# Altium PCB 电解模块主控板_V1.1_ZM_20211015.PcbDoc (part 2 of 3)
Units mil, origin at the board's own origin, x right, y up, seen from the top; angles counter-clockwise.
Board outline 5915.54 x 3947.37 mil, 2 copper layers (Top Layer, Bottom Layer); 222 components, 167 nets, 677 pads, 2045 vias.
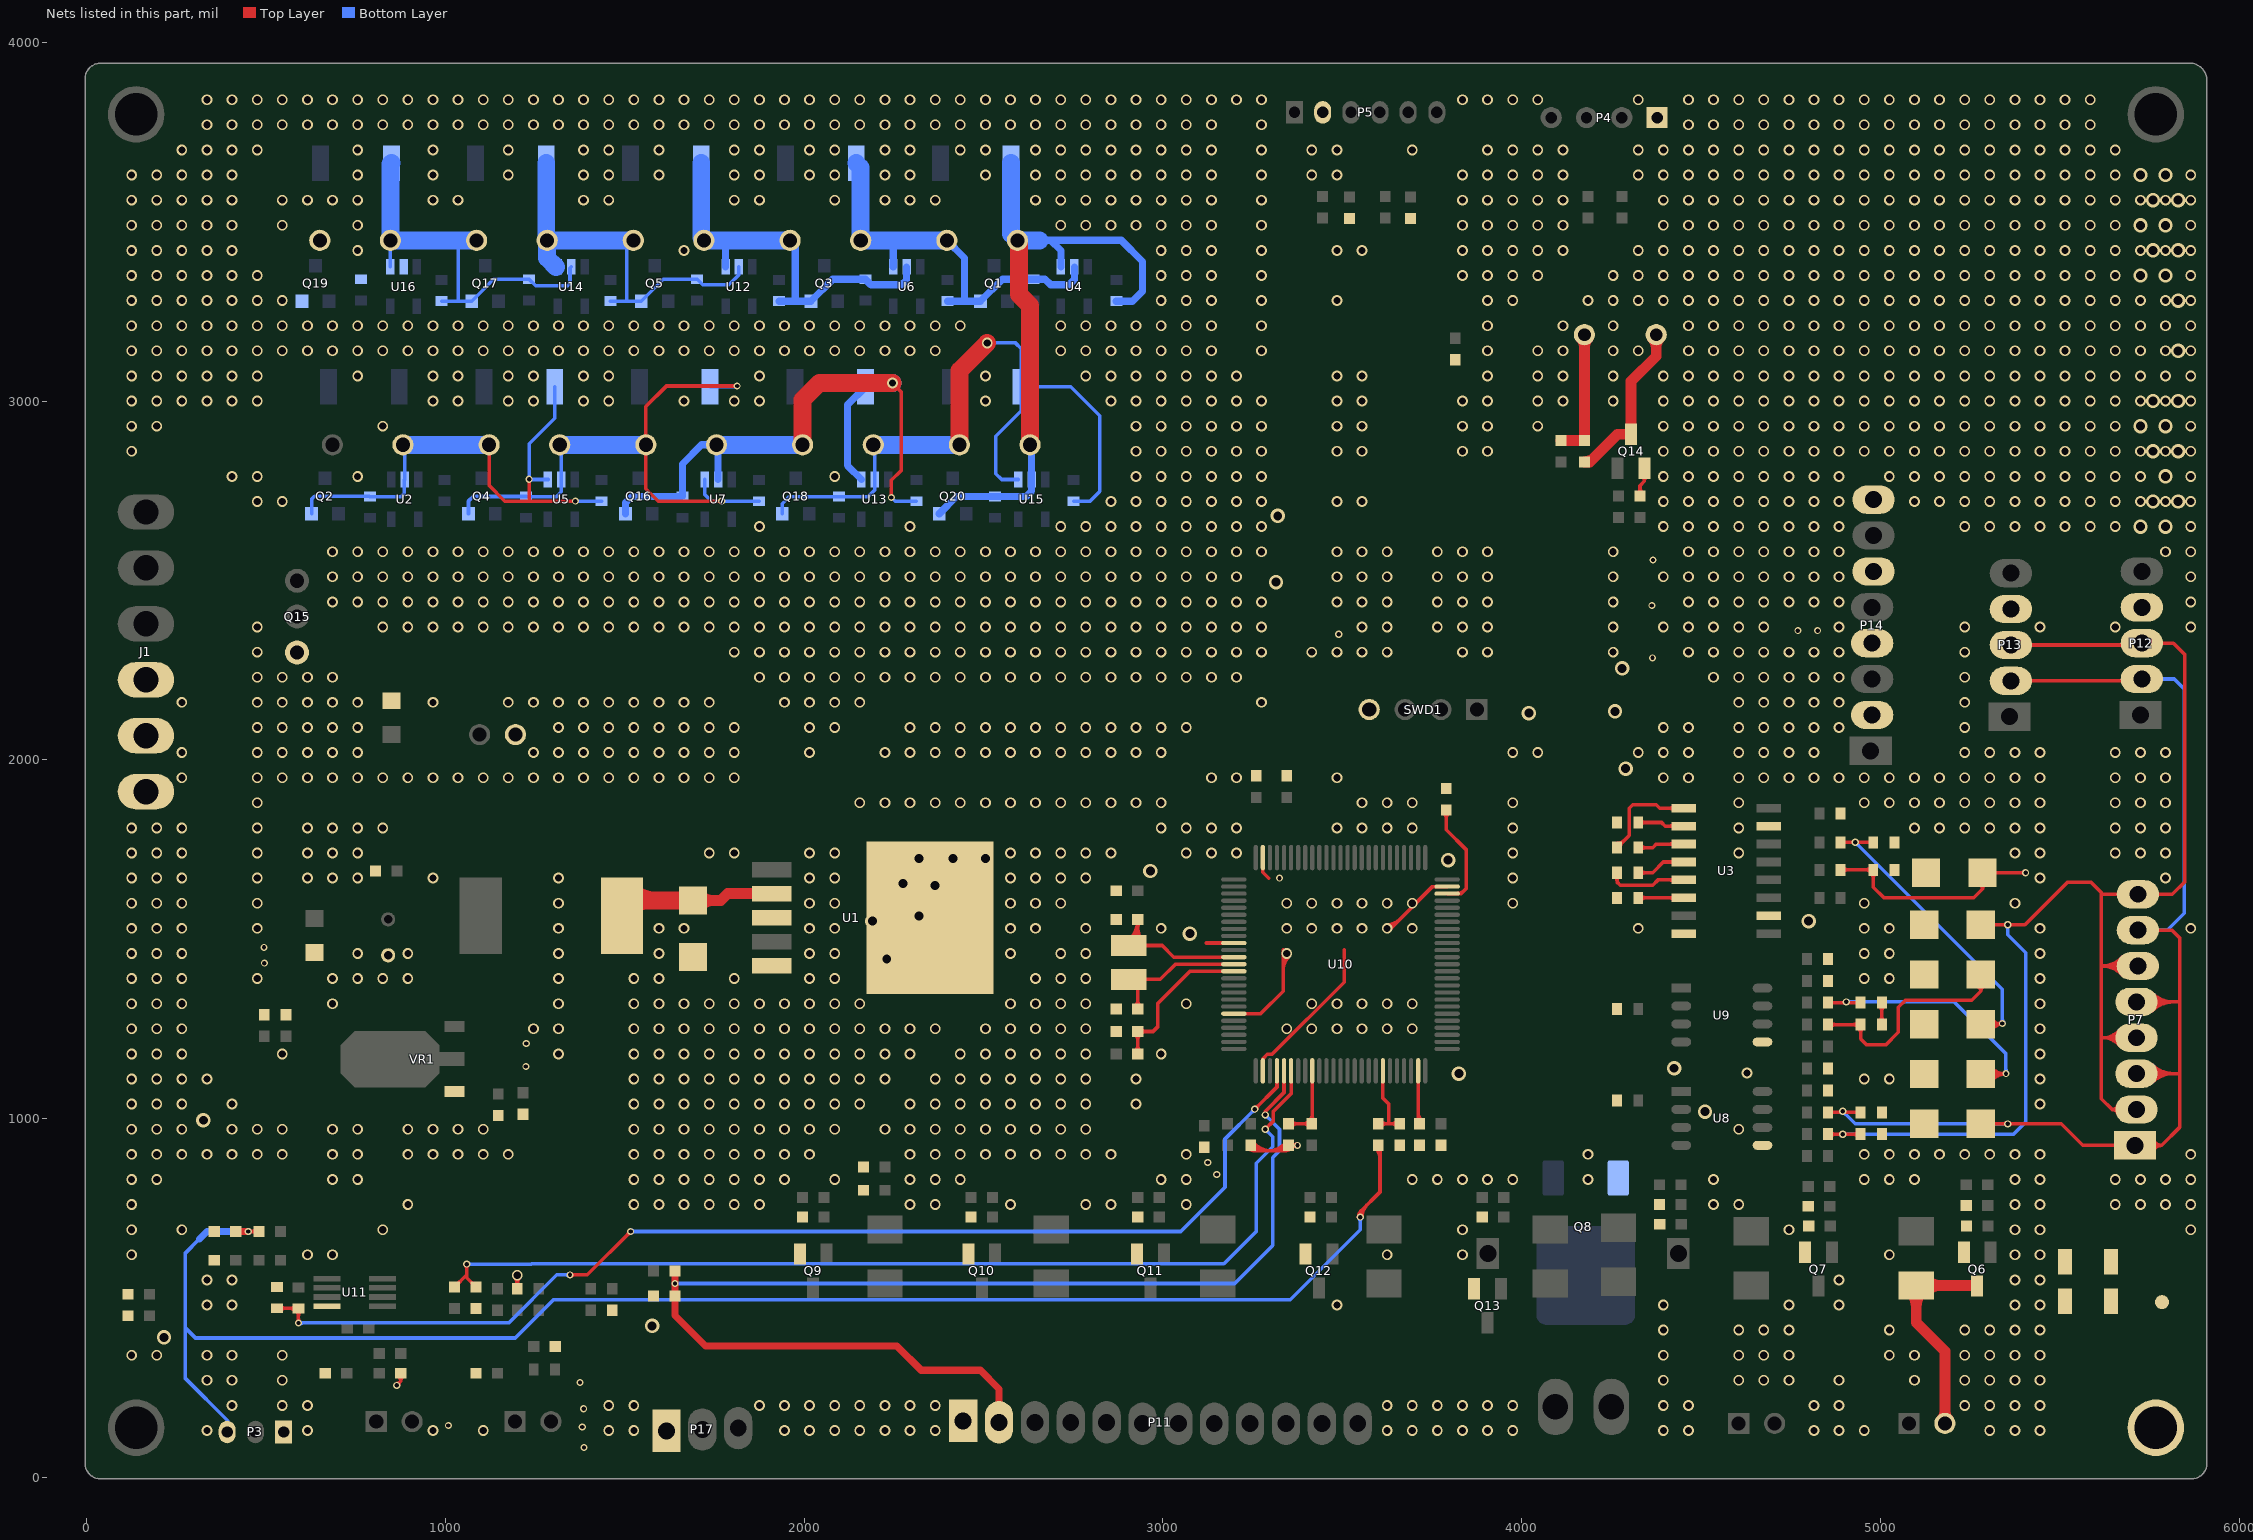
[diagram p2: the nets of this part, all layers, seen from the top]

## Via types
v1: diameter 30, hole 20, Top Layer to Bottom Layer, tented both sides, 1838 vias
v2: diameter 20, hole 12, Top Layer to Bottom Layer, tented both sides, 135 vias
v3: diameter 40, hole 25, Top Layer to Bottom Layer, tented both sides, 63 vias
v4: diameter 80, hole 60, Top Layer to Bottom Layer, tented both sides, 4 vias
v5: diameter 50, hole 30, Top Layer to Bottom Layer, tented both sides, 4 vias
v6: diameter 100, hole 80, Top Layer to Bottom Layer, tented both sides, 1 vias

## Nets (pads, with @x,y where several pads share a name; then routed paths per layer and width w, separated by ;. In a path a pad name is that pad's centre, name@x,y a point inside that pad or via, vN(x,y) a via of type N, cw(c..) or ccw(c..) an arc to the next point about the centre after c; other vN are vias at no path point) (continued)
GND: C1.2 C2.2 C3.1 C4.1 C5.1 C6.1 C8.1 C9.1 C10.1 C12.1 C13.1 C14.1 C15.1 C16.1 C17.1 C22.2 C24.2 C25.2 C27.2 C28.2 C29.2 C30.2 C31.2 C32.1 C33.2 C34.2 C35.2 C36.2 C37.1 C38.1 C39.1 C40.1 C43.2 C45.1 C46.1 C47.1 C50.2 C51.1 C52.1 C55.1 C56.1 C57.1 D3.1 D14.2 D15.2 D16.2 D17.2 D18.2 D19.2 J1.1 J1.2 J1.3 P3.1 P4.1 P5.2 P11.1 P12.4 P13.4 P14.2 P14.4 P14.6 P14.8 P17.1 Q6.2 Q7.2 Q8.2 Q9.2 Q10.2 Q11.2 Q12.2 Q13.2 Q14.2 Q15.1 Q19.2 R22.1 R34.2 R35.2 R36.2 R42.2 R43.2 R44.2 R45.2 R46.2 R59.2 R70.2 R71.2 R72.1 R76.2 R77.2 R79.1 R113.2 SWD1.4 TVS1.1 TVS2.1 TVS3.1 TVS4.1 TVS5.1 TVS6.1 TVS7.1 TVS8.1 TVS9.1 TVS10.1 TVS11.1 TVS12.1 U1.3 U1.5 U1.6 U3.8 U3.10 U3.15 U8.5 U9.5 U10.10 U10.20 U10.27 U10.74 U10.99 U11.4 U16.2 VR1.1 | length 2106
  Top Layer w10: v2(864,256) 875,267 ; v2@864,261 ccw(c864,273.07) 872.54,264.54 ccw(c881.07,256) v2@869,256 ; TVS6.1@868.18,282.69 cw(c853.55,267) 875,267 ; TVS6.1@875,290 875,267 ; TVS6.1@881.82,282.69 ccw(c896.45,267) 875,267 ; TVS11.1@1192.93,532.82 ccw(c1175.86,549.89) 1200,549.89 ccw(c1224.14,549.89) TVS11.1@1207.07,532.82 ; v1@1192.93,555.93 cw(c1175.86,538.86) 1200,538.86 cw(c1224.14,538.86) v1@1207.07,555.93 ; TVS11.1@1200,525 v1(1200,563) ; 3120.94,1489.06 U10.10@3197.76,1489.06 ; U10.20@3197.76,1292.2 3272.2,1292.2 3335,1355 v1@3335,1470 ; C51.1@3237.93,917.18 ccw(c3255.27,934.52) C51.1@3255.27,910 ; C51.1@3245,924.25 ccw(c3279.41,958.66) 3279.41,910 ; C51.1@3252.07,931.32 ccw(c3303.55,982.8) 3303.55,910 ; 3260,910 3335,910 C38.1@3350,925 v2(3375,925) ; U10.27@3278.46,1132.76 3278.46,1166.51 3291.15,1179.19 3304.19,1179.19 3505,1380 3505,1470 ; U10.99@3278.46,1727.24 3278.46,1686.54 3295,1670 ; U10.27@3279.37,1162.28 cw(c3291.75,1162.28) 3283,1171.04 ; 3291.45,910 ccw(c3291.45,982.8) C38.1@3342.93,931.32 ; 3315.59,910 ccw(c3315.59,958.66) C38.1@3350,924.25 ; 3335,1411.72 cw(c3393.28,1411.72) v1@3352.07,1452.93 ; 3335,1435.86 cw(c3369.14,1435.86) v1(3345,1460) ; C38.1@3339.73,910 ccw(c3339.73,934.52) C38.1@3357.07,917.18 ; C38.1@3357.07,917.93 cw(c3374.14,900.86) 3374.14,925 cw(c3374.14,949.14) C38.1@3357.07,932.07 ; v2@3371.46,921.46 ccw(c3362.93,912.93) 3362.93,925 ccw(c3362.93,937.07) v2@3371.46,928.54 ; v1(3625,1530) ccw(c3625,1554.14) 3642.07,1537.07 ; v1@3625,1540 ccw(c3625,1588.28) 3659.14,1554.14 ; v1@3630,1525 3751.54,1646.54 U10.74@3792.24,1646.54 ; R59.2@4322.93,2742.07 ccw(c4305.86,2759.14) 4330,2759.14 ccw(c4354.14,2759.14) R59.2@4337.07,2742.07 ; R59.2@4330,2735 4330,2764 4342,2776 ; Q14.2@4334.96,2790.89 cw(c4322.73,2776) 4342,2776 ; Q14.2@4342.4,2812.76 4342,2812.35 4342,2776 ; Q14.2@4349.35,2790.5 ccw(c4360,2776) 4342,2776 ; C35.2@4997.85,1270.83 ccw(c4982.86,1285.81) 5004.06,1285.81 ccw(c5025.25,1285.81) C35.2@5010.26,1270.83 ; C34.2@4997.85,1313.62 cw(c4982.86,1298.63) 5004.06,1298.63 cw(c5025.25,1298.63) C34.2@5010.26,1313.62 ; C35.2@5004.06,1261.67 C34.2@5004.06,1322.78
  other v1: 335,130 615,130 965,130 1105,130 1455,130 1525,130 1945,130 2015,130 2085,130 2155,130 2225,130 2295,130 2365,130 3625,130 3695,130 3765,130 3835,130 3905,130 3975,130 4395,130 4465,130 4815,130 4885,130 4955,130 5305,130 5375,130 5445,130 405,200 545,200 615,200 1455,200 1525,200 1875,200 1945,200 2015,200 2085,200 2155,200 2225,200 2295,200 2365,200 3625,200 3695,200 3765,200 3835,200 3905,200 3975,200 4395,200 4465,200 4815,200 4885,200 5235,200 5305,200 5375,200 5445,200 335,270 405,270 545,270 4395,270 4605,270 4675,270 4745,270 4885,270 5095,270 5235,270 5305,270 5375,270 5445,270 125,340 195,340 335,340 405,340 545,340 4395,340 4605,340 4675,340 4745,340 5025,340 5095,340 5235,340 5305,340 5375,340 5445,340 4395,410 4605,410 4675,410 4745,410 5025,410 5235,410 5305,410 5375,410 5445,410 335,480 405,480 3485,480 4395,480 4745,480 4885,480 5375,480 5445,480 335,550 405,550 4885,550 5375,550 5445,550 125,620 615,620 685,620 3625,620 3835,620 5025,620 5375,620 5445,620 125,690 265,690 825,690 3835,690 4745,690 5375,690 5445,690 5865,690 125,760 895,760 1525,760 1595,760 1665,760 1735,760 1805,760 1875,760 2295,760 2365,760 2575,760 2785,760 2855,760 3065,760 4535,760 4605,760 5375,760 5445,760 5655,760 5725,760 5795,760 5865,760 125,830 195,830 685,830 755,830 1525,830 1595,830 1665,830 1735,830 1805,830 1875,830 1945,830 2085,830 2295,830 2365,830 2435,830 2995,830 3065,830 3695,830 3765,830 3835,830 3905,830 3975,830 4185,830 4535,830 4955,830 5025,830 5095,830 5375,830 5445,830 5655,830 5725,830 5795,830 5865,830 125,900 195,900 265,900 335,900 405,900 475,900 545,900 685,900 755,900 895,900 965,900 1035,900 1105,900 1175,900 1525,900 1595,900 1665,900 1735,900 1805,900 1875,900 1945,900 2015,900 2295,900 2365,900 2435,900 2505,900 2575,900 2645,900 2715,900 2785,900 2855,900 3065,900 4185,900 4955,900 5025,900 5095,900 5165,900 5235,900 5305,900 5375,900 5445,900 5865,900 125,970 195,970 265,970 405,970 475,970 545,970 685,970 755,970 895,970 965,970 1035,970 1105,970 1525,970 1595,970 1665,970 1735,970 1805,970 1875,970 1945,970 2015,970 2085,970 2225,970 2295,970 2365,970 2435,970 2505,970 2575,970 2645,970 2715,970 2785,970 4605,970 125,1040 195,1040 265,1040 405,1040 1525,1040 1595,1040 1665,1040 1735,1040 1805,1040 1875,1040 1945,1040 2015,1040 2085,1040 2155,1040 2295,1040 2365,1040 2435,1040 2505,1040 2575,1040 2645,1040 2715,1040 2785,1040 2925,1040 5445,1040 125,1110 195,1110 265,1110 335,1110 1525,1110 1595,1110 1665,1110 1735,1110 1805,1110 1875,1110 1945,1110 2015,1110 2085,1110 2155,1110 2225,1110 2365,1110 2435,1110 2505,1110 2575,1110 2645,1110 2715,1110 2785,1110 2925,1110 4955,1110 5025,1110 5445,1110 4628,1127 125,1180 195,1180 265,1180 545,1180 1315,1180 1525,1180 1595,1180 1665,1180 1735,1180 1805,1180 1875,1180 1945,1180 2015,1180 2085,1180 2155,1180 2225,1180 2295,1180 2435,1180 2505,1180 2575,1180 2645,1180 2715,1180 2785,1180 2995,1180 5445,1180 125,1250 195,1250 265,1250 1245,1250 1315,1250 1525,1250 1595,1250 1665,1250 1735,1250 1805,1250 1875,1250 1945,1250 2015,1250 2085,1250 2155,1250 2225,1250 2295,1250 2365,1250 2505,1250 2575,1250 2645,1250 2715,1250 2785,1250 3345,1250 3415,1250 3485,1250 3555,1250 3625,1250 3695,1250 5445,1250 125,1320 195,1320 265,1320 685,1320 1315,1320 1525,1320 1595,1320 1665,1320 1735,1320 1805,1320 1875,1320 1945,1320 2015,1320 2085,1320 2155,1320 2575,1320 2645,1320 2715,1320 2785,1320 3065,1320 3415,1320 3485,1320 3555,1320 3625,1320 3695,1320 5445,1320 125,1390 195,1390 265,1390 475,1390 685,1390 755,1390 825,1390 895,1390 1315,1390 1525,1390 1595,1390 1805,1390 2015,1390 2085,1390 2645,1390 2715,1390 2785,1390 4955,1390 5025,1390 5445,1390 125,1460 195,1460 265,1460 755,1460 895,1460 1315,1460 1595,1460 2015,1460 2085,1460 2575,1460 2715,1460 2785,1460 4955,1460 5025,1460 5445,1460 125,1530 195,1530 265,1530 475,1530 1315,1530 1595,1530 1665,1530 2015,1530 2085,1530 2575,1530 2645,1530 2785,1530 2995,1530 3345,1530 3415,1530 3485,1530 3555,1530 3695,1530 4325,1530 4955,1530 5025,1530 5445,1530 5865,1530 125,1600 195,1600 265,1600 475,1600 1315,1600 2015,1600 2085,1600 2575,1600 2645,1600 2715,1600 3345,1600 3415,1600 3485,1600 3555,1600 3625,1600 3695,1600 3975,1600 4955,1600 5375,1600 125,1670 195,1670 265,1670 475,1670 615,1670 685,1670 755,1670 965,1670 1315,1670 2015,1670 2085,1670 2575,1670 2645,1670 2715,1670 2785,1670 3975,1670 5445,1670 5795,1670 125,1740 195,1740 265,1740 475,1740 615,1740 685,1740 755,1740 1735,1740 1805,1740 2015,1740 2085,1740 2575,1740 2645,1740 2715,1740 2785,1740 2855,1740 3065,1740 3135,1740 3205,1740 3975,1740 4605,1740 5375,1740 5445,1740 5655,1740 5725,1740 5795,1740 125,1810 195,1810 265,1810 475,1810 615,1810 685,1810 755,1810 825,1810 2995,1810 3065,1810 3135,1810 3205,1810 3485,1810 3555,1810 3625,1810 3695,1810 3975,1810 4605,1810 5095,1810 5165,1810 5235,1810 5305,1810 5375,1810 5445,1810 5655,1810 5725,1810 5795,1810 475,1880 2155,1880 2225,1880 2295,1880 2365,1880 2435,1880 2505,1880 2575,1880 2645,1880 2715,1880 2785,1880 2855,1880 2925,1880 2995,1880 3555,1880 3625,1880 3695,1880 3975,1880 4605,1880 4955,1880 5025,1880 5095,1880 5165,1880 5235,1880 5305,1880 5375,1880 5445,1880 5655,1880 5725,1880 5795,1880 265,1950 475,1950 545,1950 615,1950 685,1950 755,1950 825,1950 895,1950 965,1950 1035,1950 1105,1950 1175,1950 1245,1950 1315,1950 1385,1950 1455,1950 1525,1950 1595,1950 1665,1950 1735,1950 1805,1950 3135,1950 3205,1950 3485,1950 4395,1950 4465,1950 4605,1950 4675,1950 4745,1950 4815,1950 4885,1950 4955,1950 5025,1950 5095,1950 5165,1950 5235,1950 5305,1950 5375,1950 5445,1950 5655,1950 5725,1950 5795,1950 265,2020 475,2020 545,2020 615,2020 685,2020 755,2020 1245,2020 1315,2020 1385,2020 1455,2020 1525,2020 1595,2020 1665,2020 1735,2020 1805,2020 2015,2020 2225,2020 2295,2020 2365,2020 2435,2020 2505,2020 2575,2020 2645,2020 2715,2020 2785,2020 2855,2020 2925,2020 2995,2020 3975,2020 4045,2020 4325,2020 4395,2020 4465,2020 4605,2020 4675,2020 4745,2020 4815,2020 5235,2020 5305,2020 5375,2020 5445,2020 5655,2020 5725,2020 5795,2020 475,2090 545,2090 615,2090 685,2090 755,2090 1315,2090 1385,2090 1455,2090 1525,2090 1595,2090 1665,2090 1735,2090 1805,2090 2015,2090 2085,2090 2295,2090 2365,2090 2435,2090 2505,2090 2575,2090 2645,2090 2715,2090 2785,2090 2855,2090 2925,2090 2995,2090 3065,2090 4395,2090 4465,2090 4605,2090 4675,2090 4745,2090 4815,2090 4885,2090 5235,2090 265,2160 475,2160 545,2160 615,2160 685,2160 755,2160 965,2160 1175,2160 1245,2160 1315,2160 1385,2160 1455,2160 1525,2160 1595,2160 1665,2160 1735,2160 1945,2160 2015,2160 2085,2160 2155,2160 3275,2160 4605,2160 4675,2160 4745,2160 4815,2160 4885,2160 5235,2160 475,2230 545,2230 615,2230 685,2230 1875,2230 1945,2230 2015,2230 2085,2230 2155,2230 2225,2230 2295,2230 2365,2230 2435,2230 2505,2230 2575,2230 2645,2230 2715,2230 2785,2230 2855,2230 2925,2230 2995,2230 3065,2230 3135,2230 3205,2230 4535,2230 4605,2230 4675,2230 4745,2230 4815,2230 4885,2230 5235,2230 475,2300 1805,2300 1875,2300 1945,2300 2015,2300 2085,2300 2155,2300 2225,2300 2295,2300 2365,2300 2435,2300 2505,2300 2575,2300 2645,2300 2715,2300 2785,2300 2855,2300 2925,2300 2995,2300 3065,2300 3135,2300 3205,2300 3275,2300 3415,2300 3485,2300 3555,2300 3625,2300 3835,2300 3905,2300 4255,2300 4465,2300 4535,2300 4605,2300 4675,2300 4745,2300 4815,2300 4885,2300 5235,2300 475,2370 825,2370 895,2370 965,2370 1035,2370 1105,2370 1175,2370 1245,2370 1315,2370 1385,2370 1455,2370 1525,2370 1595,2370 1665,2370 1735,2370 1805,2370 1875,2370 1945,2370 2015,2370 2085,2370 2155,2370 2225,2370 2295,2370 2365,2370 2435,2370 2505,2370 2575,2370 2645,2370 2715,2370 2785,2370 2855,2370 2925,2370 2995,2370 3065,2370 3135,2370 3205,2370 3275,2370 3555,2370 3625,2370 3765,2370 3835,2370 3905,2370 4255,2370 4395,2370 4465,2370 4535,2370 4605,2370 4675,2370 4885,2370 5235,2370 5445,2370 5655,2370 5865,2370 685,2440 755,2440 825,2440 895,2440 965,2440 1035,2440 1105,2440 1175,2440 1245,2440 1315,2440 1385,2440 1455,2440 1525,2440 1595,2440 1665,2440 1735,2440 1805,2440 1875,2440 1945,2440 2015,2440 2085,2440 2155,2440 2225,2440 2295,2440 2365,2440 2435,2440 2505,2440 2575,2440 2645,2440 2715,2440 2785,2440 2855,2440 2925,2440 2995,2440 3065,2440 3135,2440 3205,2440 3275,2440 3485,2440 3555,2440 3625,2440 3765,2440 3835,2440 3905,2440 4255,2440 4465,2440 4535,2440 4605,2440 4675,2440 4745,2440 4815,2440 4885,2440 5865,2440 685,2510 755,2510 825,2510 895,2510 965,2510 1035,2510 1105,2510 1175,2510 1245,2510 1315,2510 1385,2510 1455,2510 1525,2510 1595,2510 1665,2510 1735,2510 1805,2510 1875,2510 1945,2510 2015,2510 2085,2510 2155,2510 2225,2510 2295,2510 2365,2510 2435,2510 2505,2510 2575,2510 2645,2510 2715,2510 2785,2510 2855,2510 2925,2510 2995,2510 3065,2510 3135,2510 3205,2510 3485,2510 3555,2510 3625,2510 3765,2510 3835,2510 3905,2510 4255,2510 4395,2510 4465,2510 4535,2510 4605,2510 4675,2510 4745,2510 4815,2510 4885,2510 5865,2510 685,2580 755,2580 825,2580 895,2580 965,2580 1035,2580 1105,2580 1175,2580 1245,2580 1315,2580 1385,2580 1455,2580 1525,2580 1595,2580 1665,2580 1735,2580 1805,2580 1875,2580 1945,2580 2015,2580 2085,2580 2155,2580 2225,2580 2295,2580 2365,2580 2435,2580 2505,2580 2575,2580 2645,2580 2715,2580 2785,2580 2855,2580 2925,2580 2995,2580 3065,2580 3135,2580 3205,2580 3275,2580 3485,2580 3555,2580 3625,2580 3765,2580 3835,2580 3905,2580 4255,2580 4465,2580 4535,2580 4605,2580 4675,2580 4745,2580 4815,2580 4885,2580 5795,2580 5865,2580 1875,2650 2295,2650 2715,2650 2785,2650 2855,2650 2925,2650 2995,2650 3065,2650 3135,2650 3205,2650 3275,2650 4395,2650 4465,2650 4535,2650 4605,2650 4675,2650 4745,2650 4815,2650 4885,2650 5235,2650 5305,2650 5375,2650 5445,2650 5515,2650 5585,2650 5655,2650 5865,2650 475,2720 545,2720 2855,2720 2925,2720 2995,2720 3065,2720 3135,2720 3205,2720 3275,2720 3485,2720 3555,2720 4395,2720 4465,2720 4535,2720 4605,2720 4675,2720 4745,2720 4815,2720 4885,2720 5095,2720 5165,2720 5235,2720 5305,2720 5375,2720 5445,2720 5515,2720 5585,2720 5655,2720 5725,2720 5795,2720 5865,2720 405,2790 475,2790 755,2790 2085,2790 2925,2790 2995,2790 3065,2790 3135,2790 3205,2790 3275,2790 4395,2790 4465,2790 4535,2790 4605,2790 4675,2790 4745,2790 4815,2790 4885,2790 5025,2790 5095,2790 5165,2790 5235,2790 5305,2790 5375,2790 5445,2790 5515,2790 5585,2790 5655,2790 5725,2790 5865,2790 125,2860 2925,2860 2995,2860 3065,2860 3135,2860 3205,2860 3275,2860 3485,2860 3555,2860 3835,2860 3905,2860 4395,2860 4465,2860 4535,2860 4605,2860 4675,2860 4745,2860 4815,2860 4885,2860 4955,2860 5025,2860 5095,2860 5165,2860 5235,2860 5305,2860 5375,2860 5445,2860 5515,2860 5585,2860 5655,2860 5725,2860 5795,2860 5865,2860 125,2930 195,2930 825,2930 2925,2930 2995,2930 3065,2930 3135,2930 3205,2930 3275,2930 3485,2930 3555,2930 3835,2930 3905,2930 4045,2930 4395,2930 4465,2930 4535,2930 4605,2930 4675,2930 4745,2930 4815,2930 4885,2930 4955,2930 5025,2930 5095,2930 5165,2930 5235,2930 5305,2930 5375,2930 5445,2930 5515,2930 5585,2930 5655,2930 5865,2930 125,3000 195,3000 265,3000 335,3000 405,3000 475,3000 965,3000 1035,3000 1175,3000 1245,3000 1385,3000 1455,3000 1665,3000 1805,3000 1875,3000 2505,3000 2855,3000 2925,3000 2995,3000 3065,3000 3135,3000 3205,3000 3275,3000 3485,3000 3555,3000 3835,3000 3905,3000 4045,3000 4115,3000 4255,3000 4395,3000 4465,3000 4535,3000 4605,3000 4675,3000 4745,3000 4815,3000 4885,3000 4955,3000 5025,3000 5095,3000 5165,3000 5235,3000 5305,3000 5375,3000 5445,3000 5515,3000 5585,3000 5655,3000 5725,3000 5795,3000 5865,3000 125,3070 195,3070 265,3070 335,3070 405,3070 475,3070 755,3070 965,3070 1035,3070 1175,3070 1245,3070 1385,3070 1455,3070 1875,3070 2505,3070 2785,3070 2855,3070 2925,3070 2995,3070 3065,3070 3135,3070 3205,3070 3485,3070 3555,3070 3905,3070 4045,3070 4115,3070 4255,3070 4395,3070 4465,3070 4535,3070 4605,3070 4675,3070 4745,3070 4815,3070 4885,3070 4955,3070 5025,3070 5095,3070 5165,3070 5235,3070 5305,3070 5375,3070 5445,3070 5515,3070 5585,3070 5655,3070 5725,3070 5795,3070 5865,3070 125,3140 195,3140 265,3140 335,3140 405,3140 475,3140 545,3140 615,3140 685,3140 755,3140 825,3140 895,3140 965,3140 1035,3140 1105,3140 1175,3140 1245,3140 1315,3140 1385,3140 1455,3140 1525,3140 1595,3140 1665,3140 1735,3140 1805,3140 1875,3140 1945,3140 2015,3140 2085,3140 2155,3140 2225,3140 2295,3140 2365,3140 2715,3140 2785,3140 2855,3140 2925,3140 2995,3140 3065,3140 3135,3140 3275,3140 3905,3140 4045,3140 4115,3140 4255,3140 4325,3140 4465,3140 4535,3140 4605,3140 4675,3140 4745,3140 4815,3140 4885,3140 4955,3140 5025,3140 5095,3140 5165,3140 5235,3140 5305,3140 5375,3140 5445,3140 5515,3140 5585,3140 5655,3140 5725,3140 5795,3140 5865,3140 125,3210 195,3210 265,3210 335,3210 405,3210 475,3210 545,3210 615,3210 685,3210 755,3210 825,3210 895,3210 965,3210 1035,3210 1105,3210 1175,3210 1245,3210 1315,3210 1385,3210 1455,3210 1525,3210 1595,3210 1665,3210 1735,3210 1805,3210 1875,3210 1945,3210 2015,3210 2085,3210 2155,3210 2225,3210 2295,3210 2365,3210 2435,3210 2715,3210 2785,3210 2855,3210 2925,3210 2995,3210 3065,3210 3135,3210 3275,3210 3905,3210 4115,3210 4255,3210 4465,3210 4535,3210 4605,3210 4675,3210 4745,3210 4815,3210 4885,3210 4955,3210 5025,3210 5095,3210 5165,3210 5235,3210 5305,3210 5375,3210 5445,3210 5515,3210 5585,3210 5655,3210 5725,3210 5795,3210 5865,3210 125,3280 195,3280 265,3280 335,3280 405,3280 475,3280 545,3280 2995,3280 3065,3280 3135,3280 3275,3280 3485,3280 3905,3280 3975,3280 4185,3280 4255,3280 4325,3280 4395,3280 4465,3280 4535,3280 4605,3280 4675,3280 4745,3280 4815,3280 4885,3280 4955,3280 5025,3280 5095,3280 5165,3280 5235,3280 5305,3280 5375,3280 5445,3280 5515,3280 5585,3280 5655,3280 5725,3280 5795,3280 5865,3280 125,3350 195,3350 265,3350 335,3350 405,3350 475,3350 2995,3350 3065,3350 3135,3350 3275,3350 3835,3350 3905,3350 3975,3350 4045,3350 4255,3350 4325,3350 4395,3350 4465,3350 4535,3350 4605,3350 4675,3350 4745,3350 4815,3350 4885,3350 4955,3350 5025,3350 5095,3350 5165,3350 5235,3350 5305,3350 5375,3350 5445,3350 5515,3350 5585,3350 5655,3350 5865,3350 125,3420 195,3420 265,3420 335,3420 405,3420 755,3420 1665,3420 2995,3420 3065,3420 3135,3420 3275,3420 3485,3420 3555,3420 3835,3420 3905,3420 3975,3420 4045,3420 4115,3420 4325,3420 4395,3420 4465,3420 4535,3420 4605,3420 4675,3420 4745,3420 4815,3420 4885,3420 4955,3420 5025,3420 5095,3420 5165,3420 5235,3420 5305,3420 5375,3420 5445,3420 5515,3420 5585,3420 5655,3420 5725,3420 5795,3420 5865,3420 125,3490 195,3490 265,3490 335,3490 405,3490 545,3490 755,3490 2715,3490 2785,3490 2855,3490 2925,3490 2995,3490 3065,3490 3135,3490 3275,3490 3835,3490 3905,3490 3975,3490 4045,3490 4115,3490 4395,3490 4465,3490 4535,3490 4605,3490 4675,3490 4745,3490 4815,3490 4885,3490 4955,3490 5025,3490 5095,3490 5165,3490 5235,3490 5305,3490 5375,3490 5445,3490 5515,3490 5585,3490 5655,3490 5865,3490 125,3560 195,3560 265,3560 335,3560 405,3560 545,3560 615,3560 685,3560 755,3560 965,3560 1035,3560 1385,3560 1455,3560 1805,3560 1875,3560 2085,3560 2225,3560 2295,3560 2365,3560 2645,3560 2715,3560 2785,3560 2855,3560 2925,3560 2995,3560 3065,3560 3135,3560 3275,3560 3835,3560 3905,3560 3975,3560 4045,3560 4115,3560 4395,3560 4465,3560 4535,3560 4605,3560 4675,3560 4745,3560 4815,3560 4885,3560 4955,3560 5025,3560 5095,3560 5165,3560 5235,3560 5305,3560 5375,3560 5445,3560 5515,3560 5585,3560 5655,3560 5725,3560 5795,3560 5865,3560 125,3630 195,3630 265,3630 335,3630 405,3630 755,3630 965,3630 1175,3630 1385,3630 1455,3630 1595,3630 1805,3630 1875,3630 2015,3630 2085,3630 2225,3630 2295,3630 2505,3630 2645,3630 2715,3630 2785,3630 2855,3630 2925,3630 2995,3630 3065,3630 3135,3630 3275,3630 3415,3630 3485,3630 3835,3630 3905,3630 3975,3630 4045,3630 4115,3630 4325,3630 4395,3630 4465,3630 4535,3630 4605,3630 4675,3630 4745,3630 4815,3630 4885,3630 4955,3630 5025,3630 5095,3630 5165,3630 5235,3630 5305,3630 5375,3630 5445,3630 5515,3630 5585,3630 5655,3630 5865,3630 265,3700 335,3700 405,3700 475,3700 755,3700 965,3700 1175,3700 1385,3700 1455,3700 1595,3700 1805,3700 1875,3700 2015,3700 2085,3700 2225,3700 2295,3700 2435,3700 2505,3700 2645,3700 2715,3700 2785,3700 2855,3700 2925,3700 2995,3700 3065,3700 3135,3700 3275,3700 3415,3700 3485,3700 3695,3700 3905,3700 3975,3700 4045,3700 4115,3700 4325,3700 4395,3700 4465,3700 4535,3700 4605,3700 4675,3700 4745,3700 4815,3700 4885,3700 4955,3700 5025,3700 5095,3700 5165,3700 5235,3700 5305,3700 5375,3700 5445,3700 5515,3700 5585,3700 5655,3700 335,3770 405,3770 475,3770 545,3770 615,3770 685,3770 755,3770 825,3770 895,3770 965,3770 1035,3770 1105,3770 1175,3770 1245,3770 1315,3770 1385,3770 1455,3770 1525,3770 1595,3770 1665,3770 1735,3770 1805,3770 1875,3770 1945,3770 2015,3770 2085,3770 2155,3770 2225,3770 2295,3770 2365,3770 2435,3770 2505,3770 2575,3770 2645,3770 2715,3770 2785,3770 2855,3770 2925,3770 2995,3770 3065,3770 3135,3770 3275,3770 4465,3770 4535,3770 4605,3770 4675,3770 4745,3770 4815,3770 4885,3770 4955,3770 5025,3770 5095,3770 5165,3770 5235,3770 5305,3770 5375,3770 5445,3770 5515,3770 5585,3770 335,3840 405,3840 475,3840 545,3840 615,3840 685,3840 755,3840 825,3840 895,3840 965,3840 1035,3840 1105,3840 1175,3840 1245,3840 1315,3840 1385,3840 1455,3840 1525,3840 1595,3840 1665,3840 1735,3840 1805,3840 1875,3840 1945,3840 2015,3840 2085,3840 2155,3840 2225,3840 2295,3840 2365,3840 2435,3840 2505,3840 2575,3840 2645,3840 2715,3840 2785,3840 2855,3840 2925,3840 2995,3840 3065,3840 3135,3840 3205,3840 3275,3840 3835,3840 3905,3840 3975,3840 4045,3840 4325,3840 4465,3840 4535,3840 4605,3840 4675,3840 4745,3840 4815,3840 4885,3840 4955,3840 5025,3840 5095,3840 5165,3840 5235,3840 5305,3840 5375,3840 5445,3840 5515,3840 5585,3840
  other v2: 1386,83 1381,140 1008,144 1385,191 1375,264 3150,844 3125,877 1224,1145 1225,1209 495,1433 494,1477 3325,1670 4365,2284 3490,2350 4770,2360 4825,2360 4363,2430 4366,2557
  other v3: 215,390 1576,422 325,995 4511,1019 3825,1125 4425,1140 2230,1445 3075,1515 2190,1550 4800,1550 2320,1565 2365,1650 2275,1655 2965,1690 3795,1720 2320,1725 2415,1725 2505,1725 4290,1975 4020,2130 4260,2135 4280,2255 3315,2495 5725,2650 5795,2650 3320,2680 5760,2720 5830,2720 5795,2790 5760,2860 5830,2860 5725,2930 5795,2930 5760,3000 5830,3000 5830,3140 5830,3280 5725,3350 5795,3350 5760,3420 5830,3420 5725,3490 5795,3490 5760,3560 5830,3560 5725,3630 5795,3630
J3-2: C28.1 D15.1 R60.2 | length 782.9
  Top Layer w10: R60.2@4889.06,1693.33 C28.1@4980,1693.33 4980,1645 5010,1615 5260,1615 5285,1640 ; R60.2@4895.26,1687.13 cw(c4910.25,1672.14) 4910.25,1693.33 cw(c4910.25,1714.53) R60.2@4895.26,1699.54 ; C28.1@4973.79,1684.17 cw(c4958.8,1669.18) 4980,1669.18 cw(c5001.2,1669.18) C28.1@4986.21,1684.17 ; C28.1@4973.79,1687.13 ccw(c4958.8,1672.14) 4958.8,1693.33 ccw(c4958.8,1714.53) C28.1@4973.79,1699.54 ; D15.1@5275.96,1651.84 cw(c5272.73,1640) 5285,1640 ; D15.1@5294.04,1651.84 ccw(c5297.27,1640) 5285,1640 ; v2@5401.46,1681.46 ccw(c5392.93,1672.93) 5392.93,1685 ccw(c5392.93,1697.07) v2@5401.46,1688.54 ; v2(5405,1685) D15.1@5285,1685 5285,1640
J3-3: C27.1 D14.1 R47.2 | length 994.8
  Top Layer w10: R47.2@4889.06,1770 C27.1@4980,1770 ; D14.1@5280,1262.5 v2@5337.5,1262.5 ; D14.1@5301.47,1250.96 cw(c5320.77,1240.58) 5320.77,1262.5 cw(c5320.77,1284.42) D14.1@5301.47,1274.04 ; D14.1@5310.27,1246.23 cw(c5337.5,1231.59) v2@5337.5,1262.5 ; D14.1@5310.27,1278.77 ccw(c5337.5,1293.41) v2@5337.5,1262.5 ; 5321.89,1262.5 ccw(c5321.89,1283.11) v2@5336.46,1268.54 ; v2(5340,1265) v2@5337.5,1262.5
  Bottom Layer w10: v2@4930,1765 cw(c4930,1752.93) 4938.54,1761.46 cw(c4947.07,1770) v2@4935,1770 ; v2(4930,1770) 5340,1360 v2(5340,1265) ; v2@5336.46,1268.54 ccw(c5327.93,1277.07) 5340,1277.07 ccw(c5352.07,1277.07) v2@5343.54,1268.54
J3-4: C31.1 D17.1 P7.2 P7.4 P7.6 P7.8 P12.3 P13.3 R69.2 | length 4462.7
  Top Layer w10: R69.2@4854.06,956.11 v2(4895,956.11) C31.1@4945,956.11 ; R69.2@4860.26,949.9 cw(c4875.25,934.92) 4875.25,956.11 cw(c4875.25,977.31) R69.2@4860.26,962.32 ; v2@4891.46,952.58 ccw(c4882.93,944.04) 4882.93,956.11 ccw(c4882.93,968.18) v2@4891.46,959.65 ; v2@4898.54,952.58 cw(c4907.07,944.04) 4907.07,956.11 cw(c4907.07,968.18) v2@4898.54,959.65 ; C31.1@4938.79,949.9 ccw(c4923.8,934.92) 4923.8,956.11 ccw(c4923.8,977.31) C31.1@4938.79,962.32 ; D17.1@5280,1540 v2(5355,1540) 5403,1540 5521,1658 5588,1658 5616,1630 5616,1221 ; v2@5351.46,1536.46 ccw(c5342.93,1527.93) 5342.93,1540 ccw(c5342.93,1552.07) v2@5351.46,1543.54 ; v2@5358.54,1536.46 cw(c5367.07,1527.93) 5367.07,1540 cw(c5367.07,1552.07) v2@5358.54,1543.54 ; P13.3@5363.94,2320 5723.94,2320 P12.3@5728.94,2325 5817,2325 5849,2293 5849,1660 5814,1625 P7.8@5717.87,1625 5621,1625 ; P7.2@5661.77,1013.77 ccw(c5646,1008.32) 5646,1025 ; P7.2@5661.77,1036.23 cw(c5646,1041.68) 5646,1025 ; P7.4@5668.05,1202.76 ccw(c5620,1161.99) 5620,1225 ; P7.4@5668.05,1247.24 cw(c5620,1288.01) 5620,1225 ; P7.6@5673.3,1401.3 ccw(c5618,1348.65) 5618,1425 ; P7.6@5673.3,1448.7 cw(c5618,1501.35) 5618,1425 ; P7.4@5675.67,1209.23 ccw(c5641.61,1180.32) 5641.61,1225 ccw(c5641.61,1269.68) P7.4@5675.67,1240.77 ; P7.6@5680.54,1408.19 ccw(c5641.33,1370.86) 5641.33,1425 ccw(c5641.33,1479.14) P7.6@5680.54,1441.81 ; P7.2@5713.94,1025 5646,1025 ; P7.4@5713.94,1225 5620,1225 ; P7.6@5717.87,1425 5618,1425 ; 5616,1221 5620,1225 ; 5616,1221 5616,1055 5646,1025
  Bottom Layer w10: v2(4895,956.11) 5371.11,956.11 5405,990 5405,1462 5355,1512 v2(5355,1540) ; v2@4898.54,952.58 cw(c4907.07,944.04) 4907.07,956.11 cw(c4907.07,968.18) v2@4898.54,959.65 ; v2@5351.46,1536.46 cw(c5342.93,1527.93) 5355,1527.93 cw(c5367.07,1527.93) v2@5358.54,1536.46
J3-7: C35.1 D19.1 R75.2 | length 757.7
  Top Layer w10: R75.2@4854.06,1261.67 C35.1@4945,1261.67 4945,1221.67 4961.67,1205 5015,1205 5050,1240 5050,1310 5070,1330 5255,1330 5280,1355 ; R75.2@4860.26,1255.46 cw(c4875.25,1240.47) 4875.25,1261.67 cw(c4875.25,1282.86) R75.2@4860.26,1267.87 ; C35.1@4938.79,1252.51 cw(c4923.8,1237.52) 4945,1237.52 cw(c4966.2,1237.52) C35.1@4951.21,1252.51 ; C35.1@4938.79,1255.46 ccw(c4923.8,1240.47) 4923.8,1261.67 ccw(c4923.8,1282.86) C35.1@4938.79,1267.87 ; D19.1@5270.09,1368.34 cw(c5266.07,1355) 5280,1355 ; D19.1@5280,1401.25 5280,1355 ; D19.1@5289.91,1368.34 ccw(c5293.93,1355) 5280,1355
J3-8: C34.1 D18.1 R74.2 | length 935.7
  Top Layer w10: R74.2@4854.06,1322.78 C34.1@4945,1322.78 ; D18.1@5280,1123.75 v2@5348.75,1123.75 ; D18.1@5299.49,1109.13 cw(c5328.74,1087.19) 5328.74,1123.75 cw(c5328.74,1160.31) D18.1@5299.49,1138.37 ; D18.1@5307.49,1103.13 cw(c5348.75,1072.18) v2@5348.75,1123.75 ; D18.1@5307.49,1144.37 ccw(c5348.75,1175.32) v2@5348.75,1123.75 ; 5334.91,1123.75 ccw(c5334.91,1140.09) v2@5346.46,1128.54 ; v2(5350,1125) v2@5348.75,1123.75
  Bottom Layer w10: v2(4905,1325) 5205,1325 5350,1180 v2(5350,1125) ; v2@4908.54,1321.46 cw(c4917.07,1312.93) 4917.07,1325 cw(c4917.07,1337.07) v2@4908.54,1328.54 ; v2@5346.46,1128.54 ccw(c5337.93,1137.07) 5350,1137.07 ccw(c5362.07,1137.07) v2@5353.54,1128.54
J3-9: C30.1 D16.1 P7.1 P7.3 P7.5 P7.7 P12.2 P13.2 R62.2 | length 3909.5
  Top Layer w10: R62.2@4854.06,1017.22 C30.1@4945,1017.22 ; D16.1@5280,985 v2(5355,985) 5504,985 5564,925 P7.1@5710,925 5784,925 ; v2@5351.46,981.46 ccw(c5342.93,972.93) 5342.93,985 ccw(c5342.93,997.07) v2@5351.46,988.54 ; v2@5358.54,981.46 cw(c5367.07,972.93) 5367.07,985 cw(c5367.07,997.07) v2@5358.54,988.54 ; P13.2@5363.94,2220 5723.94,2220 P12.2@5728.94,2225 ; P7.3@5713.94,1125 5833,1125 5834,1126 ; P7.5@5713.94,1325 5833,1325 5834,1324 ; P7.7@5717.87,1525 5813,1525 5834,1504 5834,1324 ; P7.3@5750.85,1107.77 cw(c5792.46,1066.17) 5792.46,1125 cw(c5792.46,1183.83) P7.3@5750.85,1142.23 ; P7.5@5750.85,1307.77 cw(c5792.46,1266.17) 5792.46,1325 cw(c5792.46,1383.83) P7.5@5750.85,1342.23 ; P7.3@5757.93,1100.7 cw(c5816.6,1042.02) 5816.6,1125 cw(c5816.6,1207.98) P7.3@5757.93,1149.3 ; P7.5@5757.93,1300.7 cw(c5816.6,1242.02) 5816.6,1325 cw(c5816.6,1407.98) P7.5@5757.93,1349.3 ; P7.1@5760.75,910.29 cw(c5784,899.27) 5784,925 ; P7.1@5760.75,939.71 ccw(c5784,950.73) 5784,925 ; 5784,925 5834,975 5834,1126 ; 5834,1126 5834,1324
  Bottom Layer w10: v2@4895,1015 cw(c4895,1002.93) 4903.54,1011.46 cw(c4912.07,1020) v2@4900,1020 ; v2(4895,1020) 4930,985 v2(5355,985) ; v2@5351.46,981.46 ccw(c5342.93,972.93) 5342.93,985 ccw(c5342.93,997.07) v2@5351.46,988.54 ; P7.7@5717.87,1525 5800,1525 5847,1572 5847,2197 5819,2225 P12.2@5728.94,2225
LOW: P3.3 R5.2 R7.1 TVS1.2 | length 4646.1
  Top Layer w10: v2@453.54,681.46 cw(c462.07,672.93) 462.07,685 cw(c462.07,697.07) v2@453.54,688.54 ; R5.2@471.07,679.25 ccw(c460,671.47) 460,685 ; R5.2@471.07,690.75 cw(c460,698.53) 460,685 ; R5.2@480,685 460,685 ; v2@3545,725 cw(c3569.14,725) 3552.07,742.07 ; v2@3546.46,728.54 ccw(c3537.93,737.07) 3550,737.07 ccw(c3562.07,737.07) v2@3553.54,728.54 ; v2(3550,725) 3550,740 3605,795 3605,920 R7.1@3600,925 ; v2@3555,725 cw(c3603.28,725) 3569.14,759.14 ; R7.1@3592.93,917.18 cw(c3563.79,888.04) 3605,888.04
  Top Layer w20: TVS1.2@415,685 v2(450,685)
  Bottom Layer w10: 313.79,663.79 275,625 275,416 ; P3.3@392.52,126 392.52,157.48 275,275 275,416 ; v2@3546.46,721.46 cw(c3537.93,712.93) 3550,712.93 cw(c3562.07,712.93) v2@3553.54,721.46 ; v2(3550,725) 3550,690 3355,495 1301,495 1194,388 303,388 275,416
  Bottom Layer w20: 313.79,663.79 335,685 v2(450,685)
NetBEEP1_1: BEEP1.1 R56.1 R58.2 | length 410.1
  Top Layer w30: R56.1@4110,2890 R58.2@4175,2890 BEEP1.1@4175,3180 ; BEEP1.1@4164.73,3174.73 cw(c4139.93,3149.93) 4175,3149.93 cw(c4210.07,3149.93) BEEP1.1@4185.27,3174.73
NetBEEP1_2: BEEP1.2 Q14.3 R58.1 | length 548.7
  Top Layer w30: R58.1@4175,2830 4190,2830 4267.24,2907.24 Q14.3@4305,2907.24 4305,3055 4375,3125 BEEP1.2@4375,3180 ; R58.1@4175,2830.75 ccw(c4175,2868.77) 4201.88,2841.88 ; BEEP1.2@4364.73,3174.73 cw(c4339.93,3149.93) 4375,3149.93 cw(c4410.07,3149.93) BEEP1.2@4385.27,3174.73
NetC6_2: C6.2 R24.1 U10.29 | length 3476.3
  Top Layer w10: C6.2@530,470.94 589.06,470.94 R24.1@590,470 v2(590,430) ; C6.2@539.16,464.74 cw(c554.15,449.75) 554.15,470.94 cw(c554.15,492.14) C6.2@539.16,477.15 ; 563.57,470.94 cw(c563.57,446.52) R24.1@580.84,463.79 ; 568.13,470.94 ccw(c568.13,488.91) R24.1@580.84,476.21 ; R24.1@583.79,463.79 cw(c568.8,448.8) 590,448.8 cw(c611.2,448.8) R24.1@596.21,463.79 ; v2@586.46,433.54 ccw(c577.93,442.07) 590,442.07 ccw(c602.07,442.07) v2@593.54,433.54 ; v2(1347,564) 1395,564 v2(1516,685) ; v2@1350.54,560.46 cw(c1359.07,551.93) 1359.07,564 cw(c1359.07,576.07) v2@1350.54,567.54 ; v2@1511,685 cw(c1498.93,685) 1507.46,676.46 cw(c1516,667.93) v2@1516,680 ; v2(3256,1026) 3317.83,1087.83 U10.29@3317.83,1132.76 ; v2@3256,1031 ccw(c3256,1043.07) 3264.54,1034.54 ccw(c3273.07,1026) v2@3261,1026
  Bottom Layer w10: v2(590,430) 1176.5,430 1310.5,564 v2(1347,564) ; v2@593.54,426.46 cw(c602.07,417.93) 602.07,430 cw(c602.07,442.07) v2@593.54,433.54 ; v2@1343.46,560.46 ccw(c1334.93,551.93) 1334.93,564 ccw(c1334.93,576.07) v2@1343.46,567.54 ; v2(1516,685) 3050,685 3173,808 3173,943 v2(3256,1026) ; v2@1519.54,681.46 cw(c1528.07,672.93) 1528.07,685 cw(c1528.07,697.07) v2@1519.54,688.54 ; v2@3251,1026 cw(c3238.93,1026) 3247.46,1017.46 cw(c3256,1008.93) v2@3256,1021
NetC7_1: C7.1 C44.2 Q20.2 R1.1 R27.1 R114.2 U4.1 U15.2 | length 1847.5
  Top Layer w50: C7.1@2594.43,3448 2599,3443.43 2599,3297 2629.43,3266.57 C44.2@2629.43,2878
  Bottom Layer w20: Q20.2@2376.6,2685.79 2424.54,2733.73 R114.2@2532,2733.73 2618.73,2733.73 2634,2749 U15.2@2634,2781.26 2634,2873.43 C44.2@2629.43,2878 ; 2656,3448 2687,3448 ; U4.1@2715.6,3374 2715.6,3419.4 2687,3448 ; R27.1@2870,3278.41 2915.41,3278.41 2943,3306 2943,3389 2884,3448 2687,3448
  Bottom Layer w50: R1.1@2577,3663 2577,3465.43 C7.1@2594.43,3448 2656,3448
NetC7_2: C7.2 C18.1 Q1.2 R28.2 R30.1 R65.1 U4.2 U6.1 | length 1151.5
  Bottom Layer w20: U6.1@2248.1,3374 2248.1,3447.1 2249,3448 ; C7.2@2397.57,3448 2447,3398.57 2447,3278.41 ; R65.1@2399.75,3278.41 2447,3278.41 ; U4.2@2753,3374 2753,3338 2739,3324 2687,3324 2671.53,3339.47 R28.2@2639,3339.47 2552.54,3339.47 Q1.2@2491.6,3278.53 2491.48,3278.41 2447,3278.41
  Bottom Layer w50: R30.1@2144.96,3663 2157.43,3650.54 C18.1@2157.43,3448 2249,3448 C7.2@2397.57,3448
NetC11_2: C11.2 C19.1 Q2.2 R29.2 R53.1 R64.1 U2.2 U5.1 | length 1533.9
  Top Layer w10: C19.1@1121.57,2878 1121.57,2764.43 1165,2721 1229,2721 ; v2(1233,2782) 1233,2725 1229,2721 ; v2(1362,2721) 1229,2721
  Bottom Layer w10: Q2.2@626.6,2685.79 626.6,2726.6 635,2735 787.73,2735 R29.2@789,2733.73 876.73,2733.73 885,2742 885,2780.26 U2.2@886,2781.26 886,2873.43 C11.2@881.43,2878 ; U5.1@1285.6,2781.26 1233.74,2781.26 v2(1233,2782) 1233,2881 1304.46,2952.46 R53.1@1304.46,3040 ; v2(1362,2721) 1362.33,2720.67 R64.1@1435.5,2720.67
  Bottom Layer w50: C11.2@881.43,2878 C19.1@1121.57,2878
NetC12_2: C12.2 R18.1 U10.31 | length 2942.8
  Top Layer w10: R18.1@1025,530 1059,564 ; v2@1055.46,590.46 cw(c1046.93,581.93) 1059,581.93 cw(c1071.07,581.93) v2@1062.54,590.46 ; v2(1059,594) 1059,564 ; C12.2@1085,530 1059,556 1059,564 ; v2(3285,970) 3308,993 3308,1020 3357.2,1069.2 U10.31@3357.2,1132.76 ; v2@3285,975 ccw(c3285,987.07) 3293.54,978.54 ccw(c3302.07,970) v2@3290,970
  Bottom Layer w10: v2(1059,594) 1239,594 1240,595 3170,595 3260,685 3260,875 3306,921 3306,949 v2(3285,970) ; v2@1062.54,590.46 cw(c1071.07,581.93) 1071.07,594 cw(c1071.07,606.07) v2@1062.54,597.54 ; v2@3285,965 cw(c3285,952.93) 3293.54,961.46 cw(c3302.07,970) v2@3290,970
NetC18_2: C18.2 C20.1 Q3.2 R66.2 R68.1 R88.1 U6.2 U12.1 | length 1141.6
  Bottom Layer w20: 1771,3448 1780.6,3438.4 U12.1@1780.6,3374 ; R88.1@1929.5,3278.41 1975,3278.41 ; C18.2@1960.57,3448 1975,3433.57 1975,3278.41 ; U6.2@2285.5,3374 2285.5,3337.5 2272,3324 2185.72,3324 R66.2@2170.25,3339.47 2079.69,3339.47 Q3.2@2018.75,3278.53 2018.63,3278.41 1975,3278.41
  Bottom Layer w50: R68.1@1712.93,3663 1712.93,3455.5 C20.1@1720.43,3448 1771,3448 C18.2@1960.57,3448
NetC19_2: C19.2 C21.1 Q4.2 R67.2 R83.1 R87.1 U5.2 U7.1 | length 1688.2
  Top Layer w10: v2(1770,2721) 1593,2721 1558.57,2755.43 C21.1@1558.57,2878 1558.57,2984.57 1616,3042 v2(1813,3042)
  Bottom Layer w10: Q4.2@1064.1,2685.79 1064.1,2721.1 1077,2734 1224.48,2734 R67.2@1224.75,2733.73 1309.73,2733.73 1323,2747 U5.2@1323,2781.26 1323,2873.43 C19.2@1318.43,2878 ; U7.1@1722.6,2781.26 1722.6,2739.4 1741.33,2720.67 R87.1@1874,2720.67 ; R83.1@1737.93,3040 1811,3040 v2(1813,3042)
  Bottom Layer w50: C19.2@1318.43,2878 C21.1@1558.57,2878
NetC20_2: C20.2 C41.1 Q5.2 R89.2 R91.1 R100.1 U12.2 U14.1 | length 1141.6
  Bottom Layer w10: R100.1@1459.25,3278.41 1505,3278.41 ; C20.2@1523.57,3448 1505,3429.43 1505,3278.41 ; U12.2@1818,3374 1818,3352 1790,3324 1716.97,3324 R89.2@1701.5,3339.47 1606.84,3339.47 Q5.2@1545.9,3278.53 1545.78,3278.41 1505,3278.41
  Bottom Layer w50: R91.1@1280.89,3663 1280.89,3450.54 C41.1@1283.43,3448 ; U14.1@1307.69,3374 1283.43,3398.26 C41.1@1283.43,3448 ; C20.2@1523.57,3448 C41.1@1283.43,3448
NetC21_2: C21.2 C42.1 Q16.2 R90.2 R95.1 R99.1 U7.2 U13.1 | length 1923
  Top Layer w10: v2(2243,2731) 2243,2779 2270,2806 2270,3026 v1(2246,3050)
  Top Layer w50: C42.1@1995.57,2878 1995.57,3003.57 2042,3050 v1(2246,3050)
  Bottom Layer w10: v2(2243,2731) 2253.33,2720.67 R99.1@2312.5,2720.67
  Bottom Layer w20: Q16.2@1501.6,2685.79 1501.6,2716.6 1519,2734 1660.23,2734 R90.2@1660.5,2733.73 1660.5,2824.5 1714,2878 C21.2@1755.43,2878 1760,2873.43 U7.2@1760,2781.26 ; U13.1@2159.6,2781.26 2121,2819.86 2121,2989.61 R95.1@2171.39,3040 ; R95.1@2181.39,3040 R95.1@2181.39,3050
  Bottom Layer w50: C21.2@1755.43,2878 C42.1@1995.57,2878 ; R95.1@2181.39,3050 v1(2246,3050)
NetC23_1: C23.1 U3.1 | length 343.7
  Top Layer w10: C23.1@4265.94,1755 4300,1789.06 4300,1865 4310,1875 4375,1875 4385,1865 U3.1@4451.5,1865 ; C23.1@4265.94,1766.73 ccw(c4265.94,1795.06) 4285.97,1775.03 ; C23.1@4274.72,1757.95 cw(c4288.79,1757.95) C23.1@4278.84,1767.9 ; U3.1@4424.55,1860.05 ccw(c4412.6,1848.1) 4412.6,1865 ccw(c4412.6,1881.9) U3.1@4424.55,1869.95
NetC23_2: C23.2 U3.3 | length 190.5
  Top Layer w10: C23.2@4325,1755 4365,1755 4375,1765 U3.3@4451.5,1765 ; C23.2@4331.21,1748.79 cw(c4346.2,1733.8) 4346.2,1755 cw(c4346.2,1776.2) C23.2@4331.21,1761.21 ; U3.3@4424.55,1760.05 ccw(c4412.6,1748.1) 4412.6,1765 ccw(c4412.6,1781.9) U3.3@4424.55,1769.95
NetC24_1: C24.1 U3.6 | length 186.3
  Top Layer w10: C24.1@4325,1615 U3.6@4451.5,1615 ; C24.1@4331.21,1608.79 cw(c4346.2,1593.8) 4346.2,1615 cw(c4346.2,1636.2) C24.1@4331.21,1621.21 ; U3.6@4424.55,1610.05 ccw(c4412.6,1598.1) 4412.6,1615 ccw(c4412.6,1631.9) U3.6@4424.55,1619.95
NetC25_1: C25.1 U3.2 | length 190.5
  Top Layer w10: C25.1@4325,1825 4390,1825 4400,1815 U3.2@4451.5,1815 ; C25.1@4331.21,1818.79 cw(c4346.2,1803.8) 4346.2,1825 cw(c4346.2,1846.2) C25.1@4331.21,1831.21 ; U3.2@4424.55,1810.05 ccw(c4412.6,1798.1) 4412.6,1815 ccw(c4412.6,1831.9) U3.2@4424.55,1819.95
NetC26_1: C26.1 U3.5 | length 281.3
  Top Layer w10: C26.1@4259.74,1675.84 cw(c4244.75,1660.85) 4265.94,1660.85 cw(c4287.14,1660.85) C26.1@4272.15,1675.84 ; C26.1@4265.94,1685 4265.94,1659.06 4275,1650 4365,1650 4380,1665 U3.5@4451.5,1665 ; U3.5@4424.55,1660.05 ccw(c4412.6,1648.1) 4412.6,1665 ccw(c4412.6,1681.9) U3.5@4424.55,1669.95
NetC26_2: C26.2 U3.4 | length 198.8
  Top Layer w10: C26.2@4325,1685 4365,1685 4395,1715 U3.4@4451.5,1715 ; C26.2@4331.21,1678.79 cw(c4346.2,1663.8) 4346.2,1685 cw(c4346.2,1706.2) C26.2@4331.21,1691.21 ; U3.4@4424.55,1710.05 ccw(c4412.6,1698.1) 4412.6,1715 ccw(c4412.6,1731.9) U3.4@4424.55,1719.95
NetC32_2: C32.2 pad.0@5767.72,137.8 R72.2 TP4.1
NetC36_1: C36.1 U10.12 Y1.2 | length 523.8
  Top Layer w10: Y1.2@2907.34,1499.59 ccw(c2852.64,1554.29) C36.1@2930,1554.29 ; Y1.2@2914.41,1492.52 ccw(c2876.78,1530.15) 2930,1530.15 ; C36.1@2922.93,1547.93 cw(c2905.86,1530.86) 2930,1530.86 cw(c2954.14,1530.86) C36.1@2937.07,1547.93 ; 2930,1528.63 ccw(c2971.07,1528.63) Y1.2@2942.03,1499.59 ; C36.1@2930,1555 2930,1487.24 2935,1482.24 2997.76,1482.24 3030.31,1449.68 U10.12@3197.76,1449.68
NetC37_2: C37.2 R7.2 U10.44 | length 290.6
  Top Layer w10: R7.2@3600,985 3630,985 ; R7.2@3607.07,977.93 cw(c3624.14,960.86) 3624.14,985 cw(c3624.14,1009.14) R7.2@3607.07,992.07 ; U10.44@3613.11,1132.76 3613.11,1056.89 3630,1040 3630,985 ; C37.2@3652.93,977.93 ccw(c3635.86,960.86) 3635.86,985 ccw(c3635.86,1009.14) C37.2@3652.93,992.07 ; C37.2@3660,985 3630,985
NetC38_2: C38.2 R8.2 U10.34 | length 327
  Top Layer w10: C38.2@3350,985 R8.2@3415,985 3416.26,986.26 U10.34@3416.26,1132.76 ; C38.2@3357.07,977.93 cw(c3374.14,960.86) 3374.14,985 cw(c3374.14,1009.14) C38.2@3357.07,992.07 ; R8.2@3407.93,977.93 ccw(c3390.86,960.86) 3390.86,985 ccw(c3390.86,1009.14) R8.2@3407.93,992.07 ; R8.2@3407.93,992.82 ccw(c3387.82,1012.93) 3416.26,1012.93 ; 3416.26,1006.85 ccw(c3436.1,1006.85) R8.2@3422.07,992.82
NetC39_2: C39.2 U10.49 | length 187.1
  Top Layer w10: C39.2@3707.93,992.82 ccw(c3699.22,1001.53) 3711.54,1001.53 ; 3711.54,1018.25 ccw(c3747.51,1018.25) C39.2@3722.07,992.82 ; U10.49@3711.54,1132.76 3711.54,988.46 C39.2@3715,985
NetC40_2: C40.2 R78.1 U10.14 | length 551.6
  Top Layer w10: R78.1@2922.93,1187.07 ccw(c2905.86,1204.14) 2930,1204.14 ccw(c2954.14,1204.14) R78.1@2937.07,1187.07 ; C40.2@2922.93,1235.43 cw(c2905.86,1218.36) 2930,1218.36 cw(c2954.14,1218.36) C40.2@2937.07,1235.43 ; R78.1@2930,1180 C40.2@2930,1242.5 2972.5,1242.5 2985,1255 2985,1320 3075.31,1410.32 U10.14@3197.76,1410.32 ; C40.2@2937.82,1235.43 cw(c2954.89,1218.36) 2954.89,1242.5 cw(c2954.89,1266.64) C40.2@2937.82,1249.57
NetC41_2: C41.2 C43.1 Q17.2 R101.2 R103.1 R112.1 U14.2 U16.1 | length 1142.8
  Bottom Layer w10: U16.1@845.6,3374 845.6,3447.17 C43.1@846.43,3448 ; R112.1@989,3278.41 1036,3278.41 ; 1038,3448 1036,3446 1036,3278.41 ; U14.2@1350.5,3374 1347,3370.5 1347,3327 1341,3321 1251.22,3321 R101.2@1232.75,3339.47 1133.99,3339.47 Q17.2@1073.05,3278.53 1072.93,3278.41 1036,3278.41
  Bottom Layer w50: R103.1@848.85,3663 846.43,3660.57 C43.1@846.43,3448 1038,3448 C41.2@1086.57,3448
NetC42_2: C42.2 C44.1 Q18.2 R102.2 R107.1 R111.1 U13.2 U15.1 | length 2082.7
  Top Layer w50: C44.1@2432.57,2878 2432.57,3084.57 v1(2510,3162)
  Bottom Layer w10: Q18.2@1939.1,2685.79 1939.1,2714.1 1958.73,2733.73 R102.2@2096.25,2733.73 2178.73,2733.73 2197,2752 U13.2@2197,2781.26 2197,2873.43 C42.2@2192.43,2878 ; v1(2510,3162) 2589,3162 2604.85,3146.15 R107.1@2604.85,3040 ; U15.1@2596.6,2781.26 2550.41,2781.26 2534,2797.67 2534,2902 2604.85,2972.85 R107.1@2604.85,3040 ; R111.1@2751,2720.67 2796.67,2720.67 2824,2748 2824,2959 2743,3040 R107.1@2604.85,3040
  Bottom Layer w50: C42.2@2192.43,2878 C44.1@2432.57,2878
NetC45_2: C45.2 U10.73 | length 359.7
  Top Layer w10: C45.2@3782.93,1852.18 cw(c3765.86,1835.11) 3790,1835.11 cw(c3814.14,1835.11) C45.2@3797.07,1852.18 ; C45.2@3790,1860 3790,1805 3845,1750 3845,1640 3831.85,1626.85 U10.73@3792.24,1626.85 ; U10.73@3821.77,1627.76 ccw(c3821.77,1654.27) 3840.52,1635.52
NetC46_2: C46.2 P11.2 R48.1 U10.30 | length 3485.6
  Top Layer w10: v2(3285,1010) 3285,1019.63 3337.52,1072.15 U10.30@3337.52,1132.76
  Top Layer w20: R48.1@1640,575 v2(1640,540) C46.2@1640,505 1640,451 1725,366 2258,366 2326,298 2491,298 2543,246 P11.2@2543,153.06
  Bottom Layer w10: v2(1640,540) 3200,540 3306,646 3306,891 3325,910 3325,970 v2(3285,1010) ; v2@1643.54,536.46 cw(c1652.07,527.93) 1652.07,540 cw(c1652.07,552.07) v2@1643.54,543.54 ; v2@3285,1005 cw(c3285,992.93) 3293.54,1001.46 cw(c3302.07,1010) v2@3290,1010
NetC50_1: C50.1 U10.13 Y1.1 | length 441.3
  Top Layer w10: C50.1@2922.93,1312.07 ccw(c2905.86,1329.14) 2930,1329.14 ccw(c2954.14,1329.14) C50.1@2937.07,1312.07 ; C50.1@2930,1305 2930,1362.76 Y1.1@2905,1387.76 2992.76,1387.76 3035,1430 U10.13@3197.76,1430
NetD3_2: D3.2 L1.1 U1.2 | length 665.4
  Top Layer w30: L1.1@1491.85,1565 L1.1@1534.33,1607.48 ; D3.2@1690,1607.48 1767.48,1607.48 1786.93,1626.93 U1.2@1910,1626.93 ; D3.2@1707.23,1590.25 cw(c1748.83,1548.65) 1748.83,1607.48 cw(c1748.83,1666.31) D3.2@1707.23,1624.71
  Top Layer w50: L1.1@1515.93,1588.16 cw(c1562.57,1541.53) 1562.57,1607.48 ; L1.1@1515.93,1636.32 ccw(c1585.57,1705.96) 1585.57,1607.48 ; L1.1@1534.33,1607.48 D3.2@1690,1607.48
NetD6_1: D6.1 P8.2 Q6.3 | length 828.4
  Top Layer w30: D6.1@5082.77,517.37 cw(c5041.17,475.77) 5100,475.77 cw(c5158.83,475.77) D6.1@5117.23,517.37 ; D6.1@5127.07,517.37 cw(c5168.68,475.77) 5168.68,534.61 cw(c5168.68,593.44) D6.1@5127.07,551.84 ; P8.2@5169.73,160.27 ccw(c5144.93,185.07) 5180,185.07 ccw(c5215.07,185.07) P8.2@5190.27,160.27 ; P8.2@5180,150 5180,351 5100,431 D6.1@5100,534.61 5268.15,534.61 Q6.3@5270,532.76